# Altium PCB PCB1.PcbDoc (part 1 of 2)
Units mil, origin at the board's own origin, x right, y up, seen from the top; angles counter-clockwise.
Board outline 3937.01 x 3543.31 mil, 2 copper layers (Top Layer, Bottom Layer); 171 components, 150 nets, 633 pads, 245 vias.
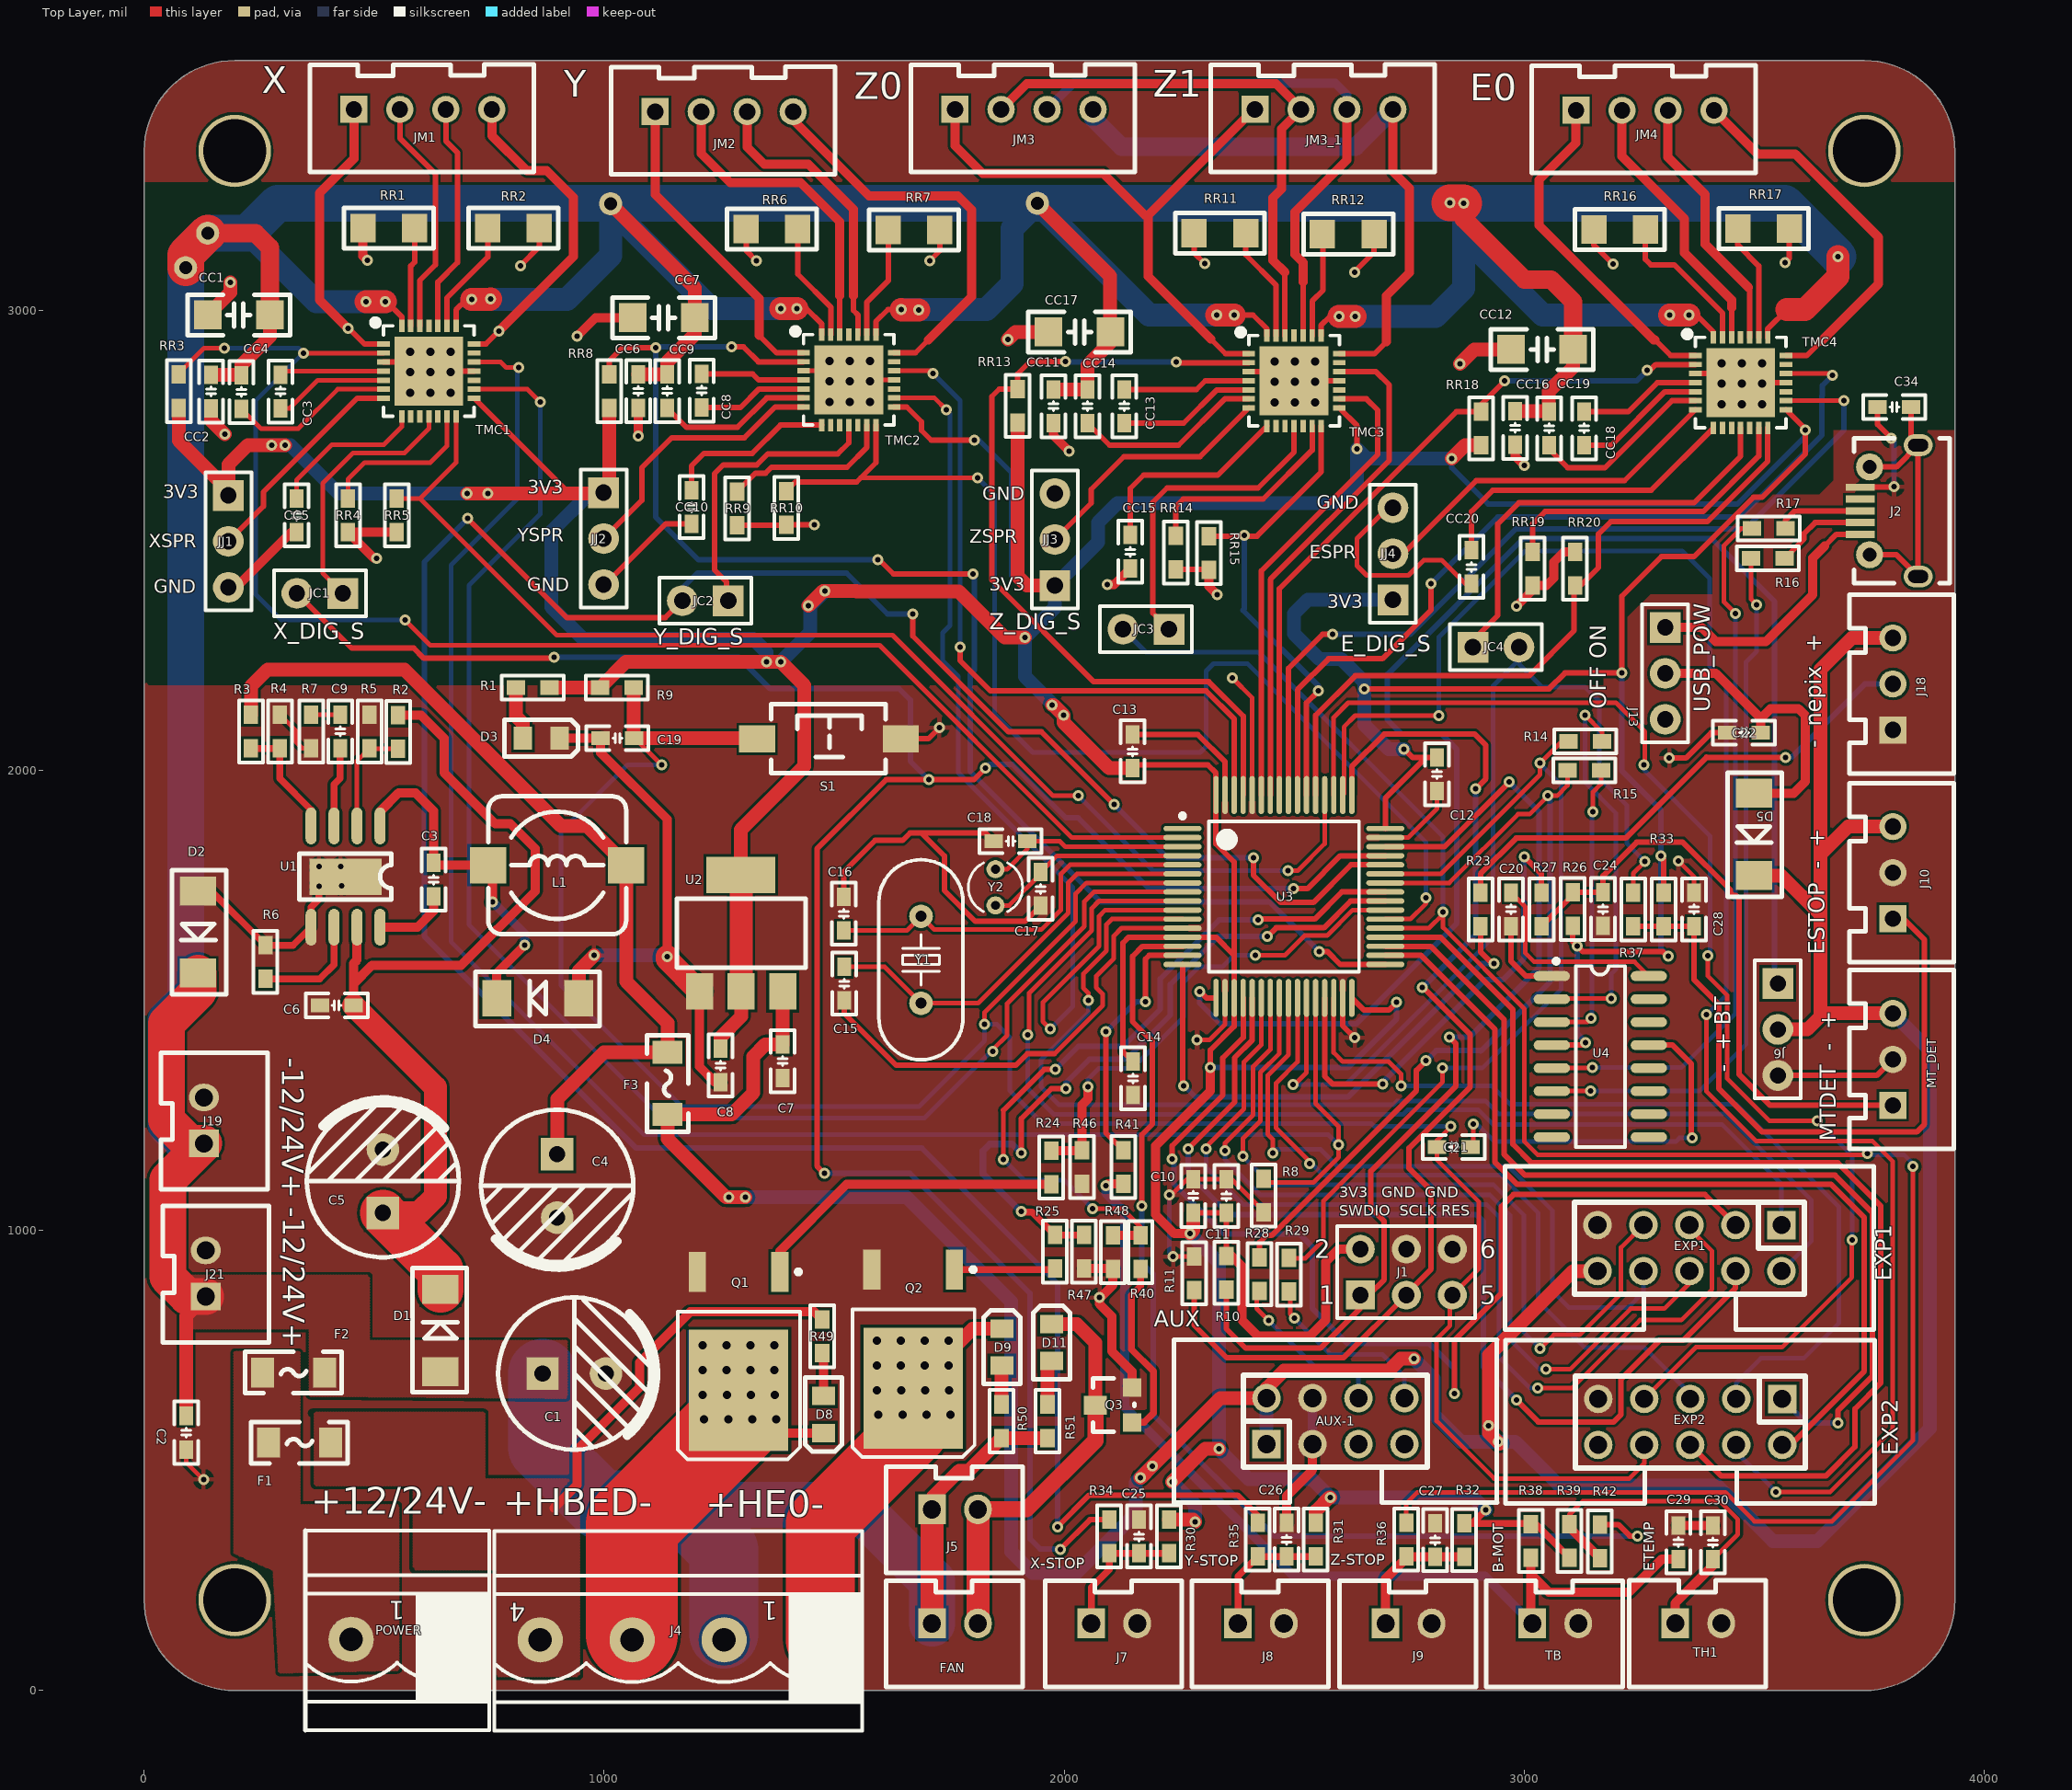
[diagram p0: Top Layer view]
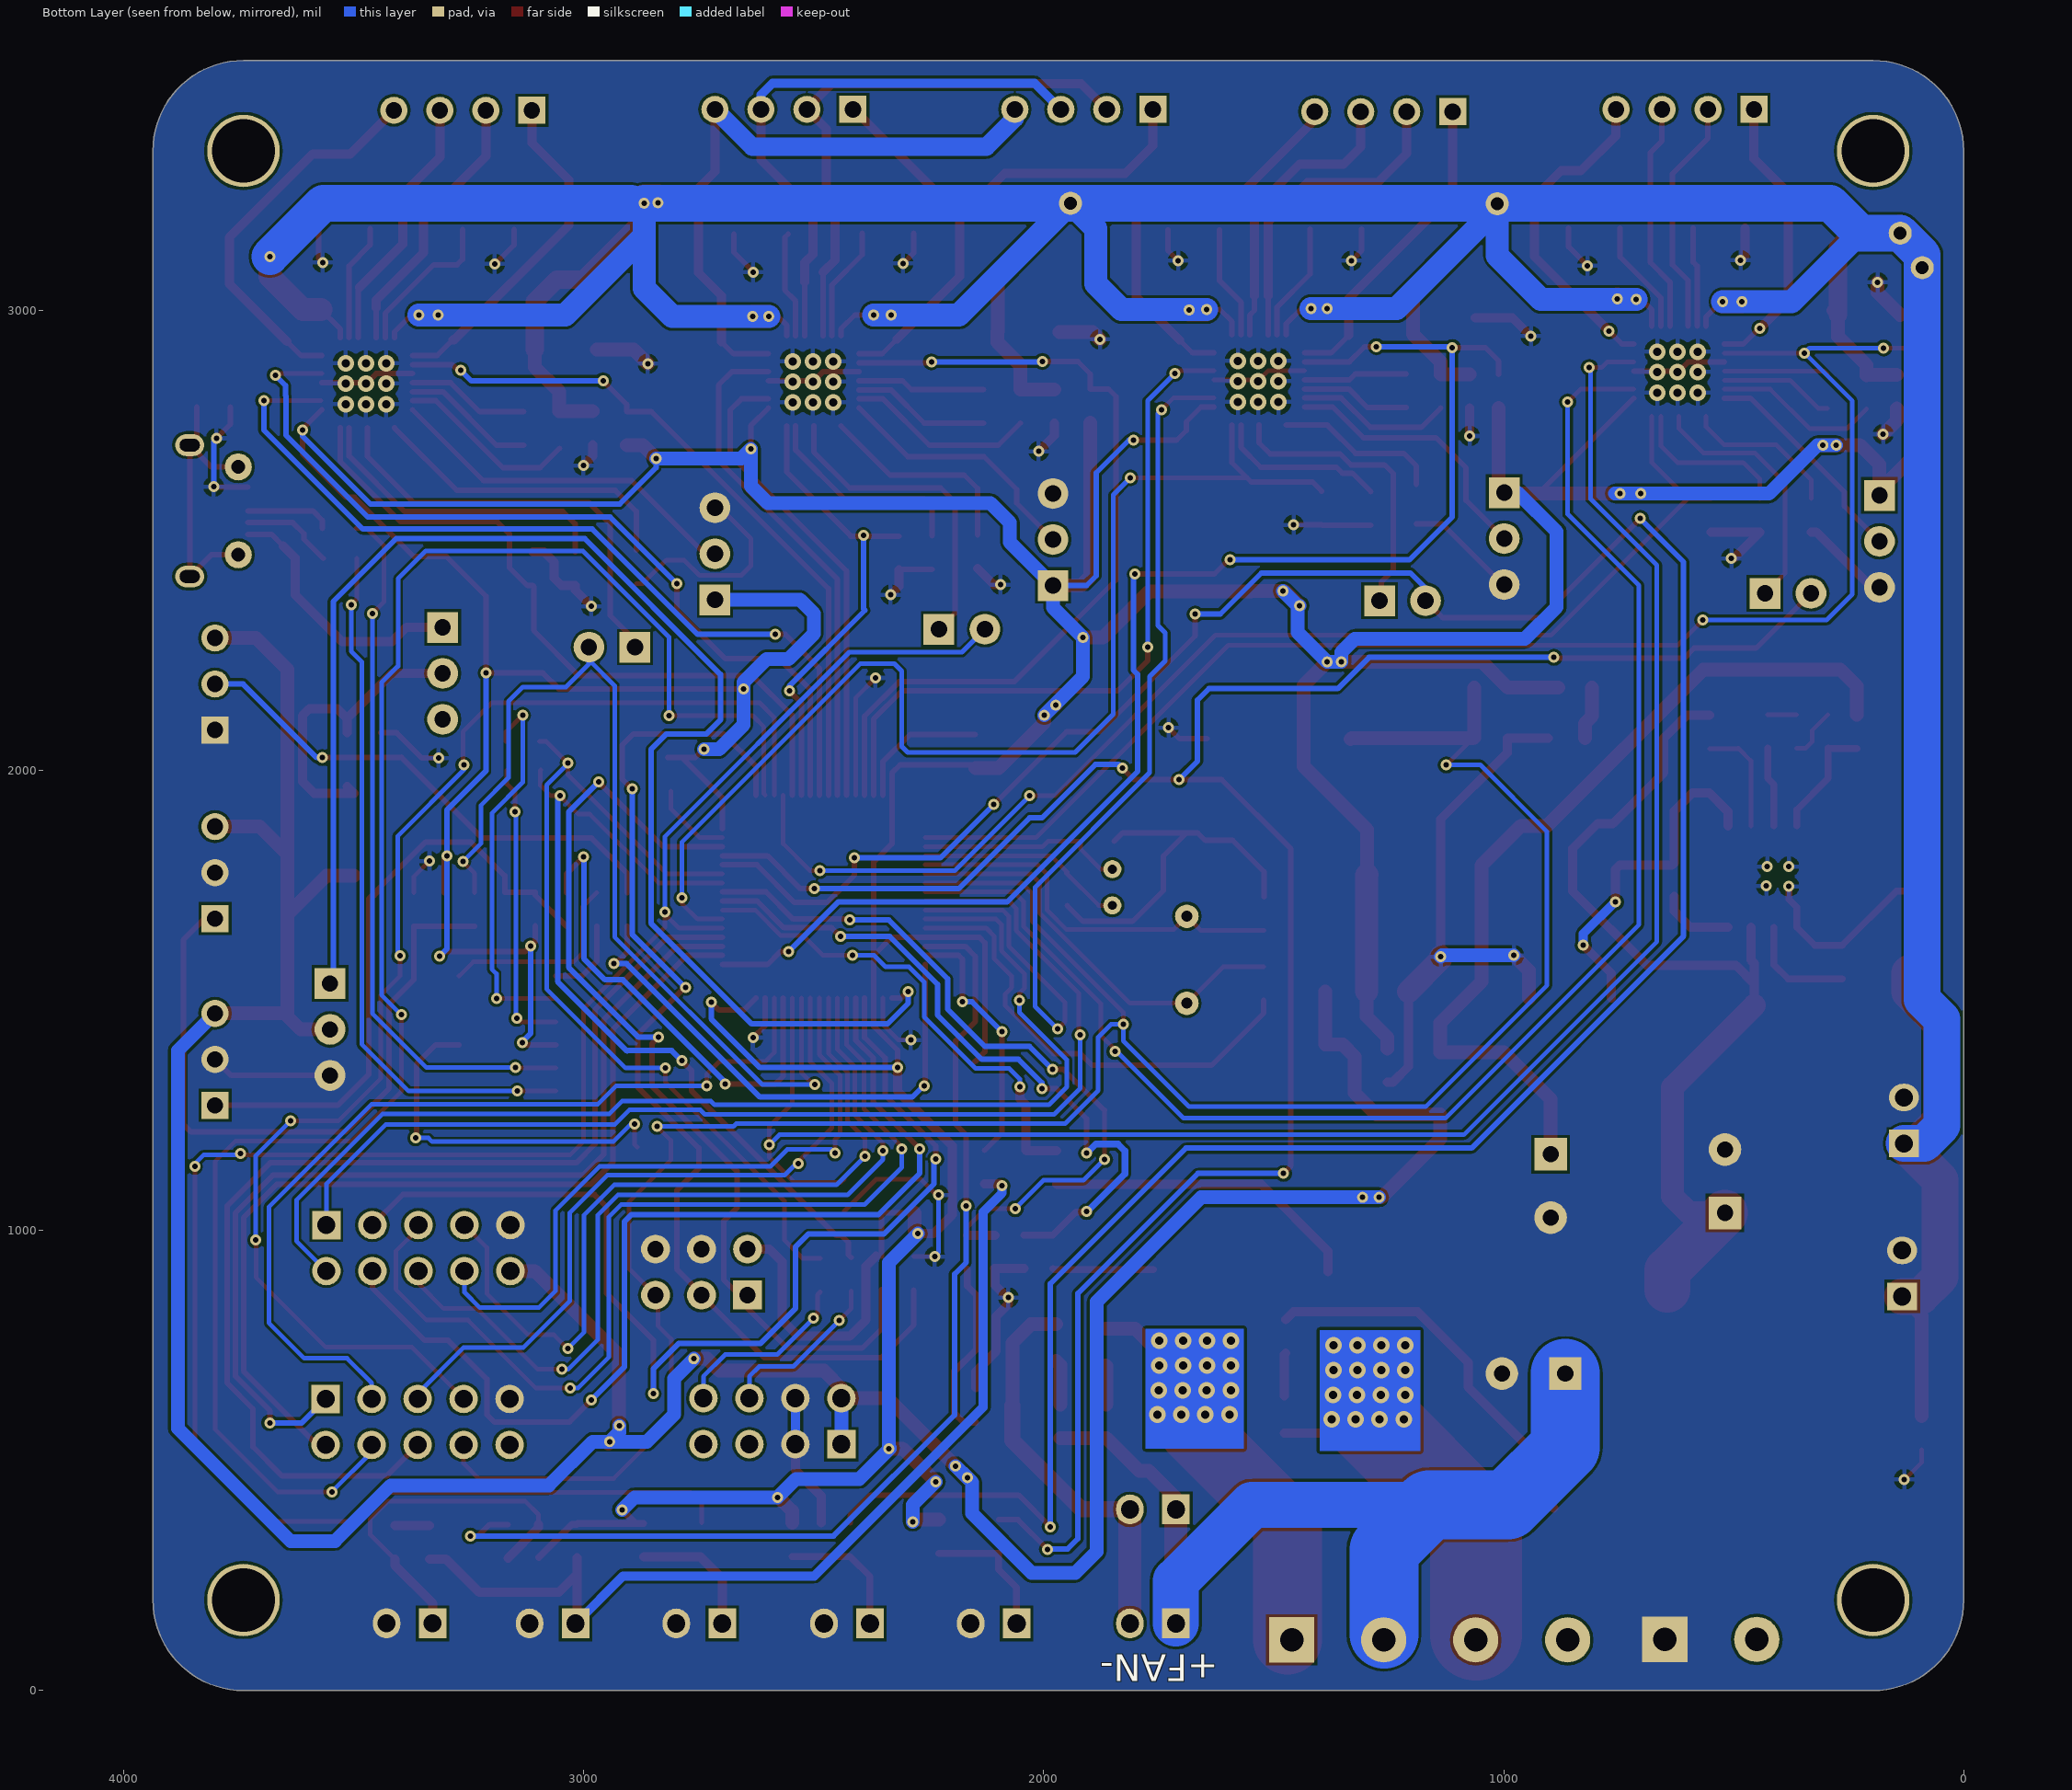
[diagram p1: Bottom Layer view, seen from below]

## Layer stack, top to bottom
Top Solder: solder mask 0.4, Solder Resist, Dk 3.5
Top Layer: signal copper 1.4
Dielectric 1: dielectric 12.6, FR-4, Dk 4.8
Bottom Layer: signal copper 1.4
Bottom Solder: solder mask 0.4, Solder Resist, Dk 3.5

## Board outline
0,196.85 0,3346.46 cw(c196.85,3346.46) 196.85,3543.31 3740.16,3543.31 cw(c3740.16,3346.46) 3937.01,3346.46 3937.01,196.85 cw(c3740.16,196.85) 3740.16,0 196.85,0 cw(c196.85,196.85)

## Design rules (kind name [scope] priority, off if disabled: settings)
Clearance [All] p1: gap=6
PolygonConnect PAD [(InPadClass('All Pads'))] p1: connectstyle=Direct reliefconductorwidth=10 reliefentries=4 polygonreliefangle="90 Angle" airgapwidth=10
PolygonConnect [All] p2: connectstyle=Relief reliefconductorwidth=10 reliefentries=4 polygonreliefangle="90 Angle" airgapwidth=10
RoutingVias [All] p1: holewidth=12 width=24 viastyle="Through Hole" minholewidth=12 minwidth=24 maxholewidth=28 maxwidth=50
SilkToSilkClearance [All] p1 off: silktosilkclearance=10
SilkToSolderMaskClearance [IsPad] p1 off: minsilkscreentomaskgap=10 clearancetoexposedcopper=TRUE
SolderMaskExpansion [All] p1: expansion=4
Width [All] p1: maxlimit=500 minlimit=6 preferedwidth=10
28 further rules are at their usual default settings.

## Classes and differential pairs
net class "New Class": GND

## Components (designator, comment, footprint, x,y, rotation, side; value= is the part's Value field where it differs from the comment)
AUX-1 "Jx8" IDC_8P 2440.16,535.43 r0 top
C1 "10uF/10V" "CS 3.5*8*8 - C" 935.1,689 r180 top
C2 "104" "C 0603_M" 91,560.5 r270 top
C3 "104" "C 0603_M" 629,1762.5 r90 top
C4 "10uF/10V" "CS 3.5*8*8 - C" 898,1096.9 r90 top
C5 "10uF/10V" "CS 3.5*8*8 - C" 519,1107.1 r270 top
C6 "104" "C 0603_M" 418.5,1489 r180 top
C7 "104" "C 0603_M" 1388.38,1367.88 r270 top
C8 "104" "C 0603_M" 1253,1358.5 r270 top
C9 "104" "C 0603_M" 425.98,2084.82 r90 top
C10 "104" "C 0603_M" 2281,1075 r270 top
C11 "104" "C 0603_M" 2353,1074.5 r270 top
C12 "104" "C 0603_M" 2811.02,1992.13 r90 top
C13 "104" "C 0603_M" 2149,2041.5 r270 top
C14 "104" "C 0603_M" 2149.61,1330.71 r90 top
C15 "104" "C 0603_M" 1522,1536.5 r90 top
C16 "104" "C 0603_M" 1521,1688.5 r270 top
C17 "104" "C 0603_M" 1949,1742.5 r90 top
C18 "104" "C 0603_M" 1884,1846 r0 top
C19 "104" "C 0603_M" 1029.15,2070.13 r180 top
C20 "104" "C 0603_M" 2971.88,1697.92 r90 top
C21 "104" "C 0603_M" 2847.5,1181 r180 top
C22 "104" "C 0603_M" 3478.5,2082 r180 top
C24 "10uF/10V" "C 0603_M" 3172,1698.5 r270 top
C25 "10uF/10V" "C 0603_M" 2163.39,334.65 r90 top
C26 "10uF/10V" "C 0603_M" 2484.25,327.84 r90 top
C27 "10uF/10V" "C 0603_M" 2807.09,326.77 r90 top
C28 "10uF/10V" "C 0603_M" 3370.08,1697.92 r90 top
C29 "104" "C 0603_M" 3335.65,322.51 r90 top
C30 "104" "C 0603_M" 3411,322 r90 top
C34 "104" "C 0603_M" 3805.5,2790 r0 top
CC1 "10uF/10V" "C 1206_M" 205.5,2990 r180 top
CC2 "104" "C 0603_M" 145,2823.5 r270 top
CC3 "104" "C 0603_M" 296,2823.5 r90 top
CC4 "104" "C 0603_M" 211,2822.5 r90 top
CC5 "104" "C 0603_M" 331,2554.5 r270 top
CC6 "104" "C 0603_M" 1074,2824.5 r270 top
CC7 "10uF/10V" "C 1206_M" 1129.5,2984 r180 top
CC8 "104" "C 0603_M" 1212,2825.5 r90 top
CC9 "104" "C 0603_M" 1137,2824.5 r90 top
CC10 "104" "C 0603_M" 1190,2572.5 r270 top
CC11 "104" "C 0603_M" 1977,2791.5 r270 top
CC12 "10uF/10V" "C 1206_M" 3039.5,2915 r180 top
CC13 "104" "C 0603_M" 2131,2791.5 r90 top
CC14 "104" "C 0603_M" 2051,2791.5 r90 top
CC15 "104" "C 0603_M" 2144,2475.5 r270 top
CC16 "104" "C 0603_M" 2981,2744.5 r270 top
CC17 "10uF/10V" "C 1206_M" 2033.5,2953 r180 top
CC18 "104" "C 0603_M" 3131,2743.5 r90 top
CC19 "104" "C 0603_M" 3055,2743.5 r90 top
CC20 "104" "C 0603_M" 2886,2442.5 r270 top
D1 "1n4004" SMA 644,701 r90 top
D2 "1n4001" SMA 117,1730 r270 top
D3 "发光二极管" myLed0805 823.36,2070.13 r0 top
D4 "ss34" SMA 937,1505 r180 top
D5 "SS12" SMA 3500,1942.21 r270 top
D8 "发光二极管" myLed0805 1477,640 r270 top
D9 "发光二极管" myLed0805 1865,706 r90 top
D11 "发光二极管" myLed0805 1973,716 r90 top
EXP1 "Jx10" DC3-10P 3159.84,911.81 r270 top
EXP2 "Jx10" DC3-10P 3161.42,533.86 r270 top
F1 "30A" "FU 1206" 337.5,539 r0 top
F2 "15A" "FU 1206" 324.5,691 r0 top
F3 "500" "FU 1206" 1138,1319.5 r270 top
FAN "Jx2" MY_XH2.54-2 1712.6,145.67 r0 top
J1 "JTAG" HDR2.54-LI-2x3P 2744.09,909.45 r0 top
J2 "USB" myMicrousb 3856.98,2421.69 r90 top
J4 "Jx4" HX5.08-4L 1461,110 r180 top
J5 "Jx2" MY_XH2.54-2 1712.6,393.7 r0 top
J6 "JX3" HDR2.54-LI-3P 3552,1437 r270 top
J7 "X-STOP" my_XH2.54-2 2059.06,145.67 r0 top
J8 "Y-STOP" my_XH2.54-2 2377.95,145.67 r0 top
J9 "Z-STOP" my_XH2.54-2 2699.11,145.67 r0 top
J10 "JX3" XH_3P 3802,1678 r90 top
J13 "JX3" HDR2.54-LI-3P 3307,2211 r270 top
J18 "JX3" XH_3P 3802,2088 r90 top
J19 "Jx2" my_XH2.54-2 129.92,1188.98 r90 top
J21 "Jx2" my_XH2.54-2 133.86,856.59 r90 top
JC1 "Jx2" HDR2.54-LI-2P 382,2385 r180 top
JC2 "Jx2" HDR2.54-LI-2P 1220,2369 r180 top
JC3 "Jx2" HDR2.54-LI-2P 2178,2307 r180 top
JC4 "Jx2" HDR2.54-LI-2P 2939,2268 r0 top
JJ1 "JX3" HDR2.54-LI-3P 183,2498 r270 top
JJ2 "JX3" HDR2.54-LI-3P 999,2504 r270 top
JJ3 "JX3" HDR2.54-LI-3P 1980,2502 r90 top
JJ4 "JX3" HDR2.54-LI-3P 2715,2471 r90 top
JM1 "Jx4" XH2.54-4 456,3437 r0 top
JM2 "Jx4" XH2.54-4 1111,3432 r0 top
JM3 "Jx4" XH2.54-4 1763,3437 r0 top
JM3_1 "Jx4" XH2.54-4 2415,3437 r0 top
JM4 "Jx4" XH2.54-4 3113,3435 r0 top
L1 "10uH" CDRH74 898,1794 r0 top
MT_DET "JX3" XH_3P 3802,1272 r90 top
POWER "power" HX5.08-2L 650,111 r180 top
Q1 "MOS" TO252 1292.24,736.77 r270 top
Q2 "MOS" TO252 1672,741.65 r270 top
Q3 "SS8050" SOT23 2148,583 r90 top
R1 "10k" "R 0603_M" 844.37,2180.37 r0 top
R2 "10k" "R 0603_M" 552,2083.5 r90 top
R3 "10k" "R 0603_M" 232,2084.5 r270 top
R4 "10k" "R 0603_M" 295,2085 r270 top
R5 "10k" "R 0603_M" 490,2084.5 r270 top
R6 "10k" "R 0603_M" 263.78,1583.74 r270 top
R7 "10k" "R 0603_M" 362.98,2084.82 r90 top
R8 "10k" "R 0603_M" 2434,1076 r270 top
R9 "10k" "R 0603_M" 1028.09,2180.37 r180 top
R10 "10k" "R 0603_M" 2353,907.5 r270 top
R11 "10k" "R 0603_M" 2283,906.5 r270 top
R14 "10k" "R 0603_M" 3132.79,2062.99 r180 top
R15 "10k" "R 0603_M" 3130.99,2000 r180 top
R16 "10k" "R 0603_M" 3530.5,2461 r0 top
R17 "10k" "R 0603_M" 3532.5,2526 r0 top
R23 "10k" "R 0603_M" 2905.51,1697.92 r270 top
R24 "10k" "R 0603_M" 1972.44,1136.73 r90 top
R25 "10k" "R 0603_M" 1980.32,953.82 r90 top
R26 "10k" "R 0603_M" 3106,1698.5 r90 top
R27 "10k" "R 0603_M" 3038.25,1697.92 r90 top
R28 "10k" "R 0603_M" 2425,905 r270 top
R29 "10k" "R 0603_M" 2489,904 r270 top
R30 "10k" "R 0603_M" 2228.35,334.65 r90 top
R31 "10k" "R 0603_M" 2547.24,327.84 r90 top
R32 "10k" "R 0603_M" 2870.08,326.77 r90 top
R33 "10k" "R 0603_M" 3303.71,1697.92 r90 top
R34 "10k" "R 0603_M" 2098.43,334.65 r90 top
R35 "10k" "R 0603_M" 2421.26,327.84 r90 top
R36 "10k" "R 0603_M" 2744.09,327.84 r90 top
R37 "10k" "R 0603_M" 3237.35,1697.92 r90 top
R38 "10k" "R 0603_M" 3015,325 r270 top
R39 "10k" "R 0603_M" 3098.65,325.51 r90 top
R40 "10k" "R 0603_M" 2166.42,952.76 r90 top
R41 "10k" "R 0603_M" 2129,1137.5 r90 top
R42 "10k" "R 0603_M" 3165,324.5 r90 top
R46 "10k" "R 0603_M" 2039,1137.5 r90 top
R47 "10k" "R 0603_M" 2043.31,953.82 r90 top
R48 "10k" "R 0603_M" 2106.3,952.76 r90 top
R49 "10k" "R 0603_M" 1474,769.5 r270 top
R50 "10k" "R 0603_M" 1864,585.5 r90 top
R51 "10k" "R 0603_M" 1964,585.5 r90 top
RR1 "10k" "R 1206_L" 532.88,3179 r180 top
RR2 "10k" "R 1206_L" 802,3179 r0 top
RR3 "10k" "R 0603_M" 75,2824.5 r270 top
RR4 "10k" "R 0603_M" 443,2554.5 r90 top
RR5 "10k" "R 0603_M" 549,2554.5 r90 top
RR6 "10k" "R 1206_L" 1366,3177 r180 top
RR7 "10k" "R 1206_L" 1672.91,3175 r0 top
RR8 "10k" "R 0603_M" 1011,2824.5 r270 top
RR9 "10k" "R 0603_M" 1289,2569.5 r90 top
RR10 "10k" "R 0603_M" 1396,2570.5 r90 top
RR11 "10k" "R 1206_L" 2339.88,3168 r180 top
RR12 "10k" "R 1206_L" 2616.91,3166 r0 top
RR13 "10k" "R 0603_M" 1899,2792.5 r270 top
RR14 "10k" "R 0603_M" 2243,2473.5 r90 top
RR15 "10k" "R 0603_M" 2315,2473 r90 top
RR16 "10k" "R 1206_L" 3208.88,3176 r180 top
RR17 "10k" "R 1206_L" 3519.91,3178 r0 top
RR18 "10k" "R 0603_M" 2907,2743.5 r270 top
RR19 "10k" "R 0603_M" 3019,2438.5 r90 top
RR20 "10k" "R 0603_M" 3111,2438.5 r270 top
S1 "微动开关" "TSW SMD-3*6*2.5" 1490,2069 r0 top
TB "Jx2" MY_XH2.54-2 3018.01,145.67 r0 top
TH1 "Jx2" MY_XH2.54-2 3328.9,146 r0 top
TMC1 "TMC2208" MY_2208 619,2868 r270 top
TMC2 "TMC2208" MY_2208 1532,2849 r270 top
TMC3 "TMC2208" MY_2208 2500,2847 r270 top
TMC4 "TMC2208" MY_2208 3471,2843 r270 top
U1 "mp1584" MP1584EN 512.8,1879.24 r270 top
U2 "asm1117" SOT-223 1295.28,1649.61 r0 top
U3 "stm32f103rc" LQFP64_M 2478,1726 r0 top
U4 "CH340G" SOP16 3165.35,1377.95 r0 top
Y1 "8MHz" "OSC HC-49S" 1689,1588.51 r270 top
Y2 "32.768" OSC-3x8-LI 1851,1746 r90 top
